# Altium PCB Aixcel_Tiny_Recon_Board.PcbDoc (part 1 of 2)
Units mm, origin at the board's own origin, x right, y up, seen from the top; angles counter-clockwise.
Board outline 50.95 x 29.99 mm, 4 copper layers (Top Layer, GND Layer, PWR Layer, Bottom Layer), stack 1.283 mm thick; 76 components, 72 nets, 351 pads, 241 vias.
Unrouted connection lines stored in the file: 6.
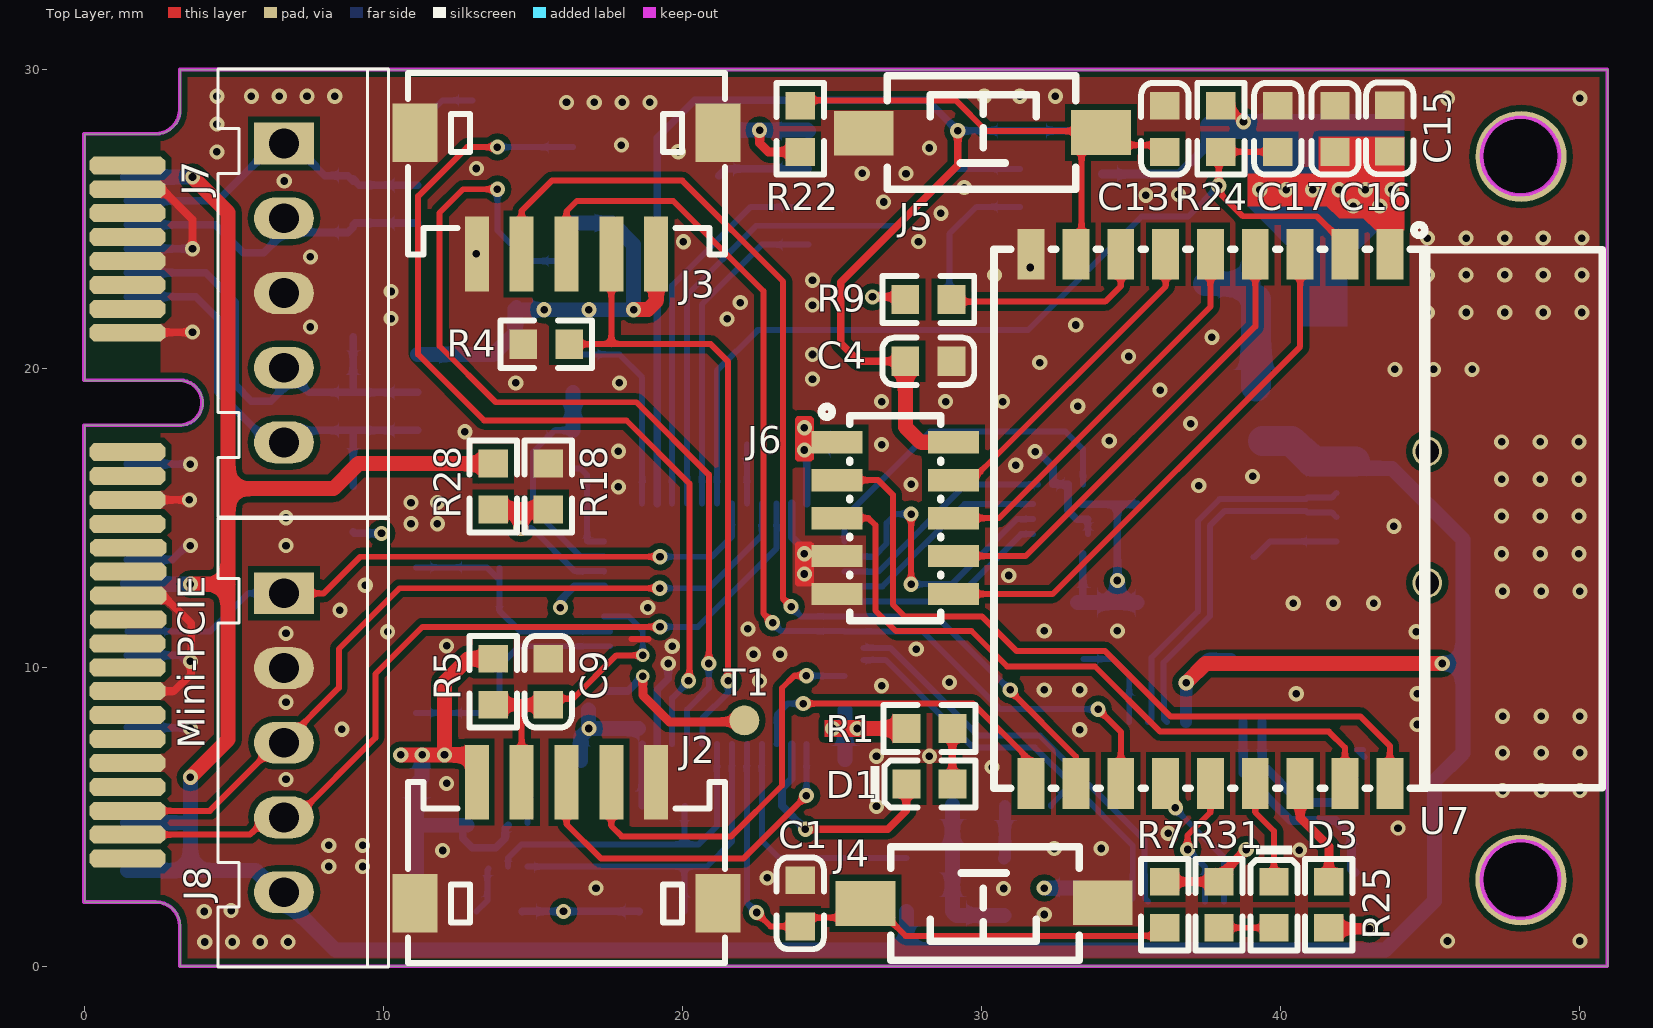
[diagram p0: Top Layer view]
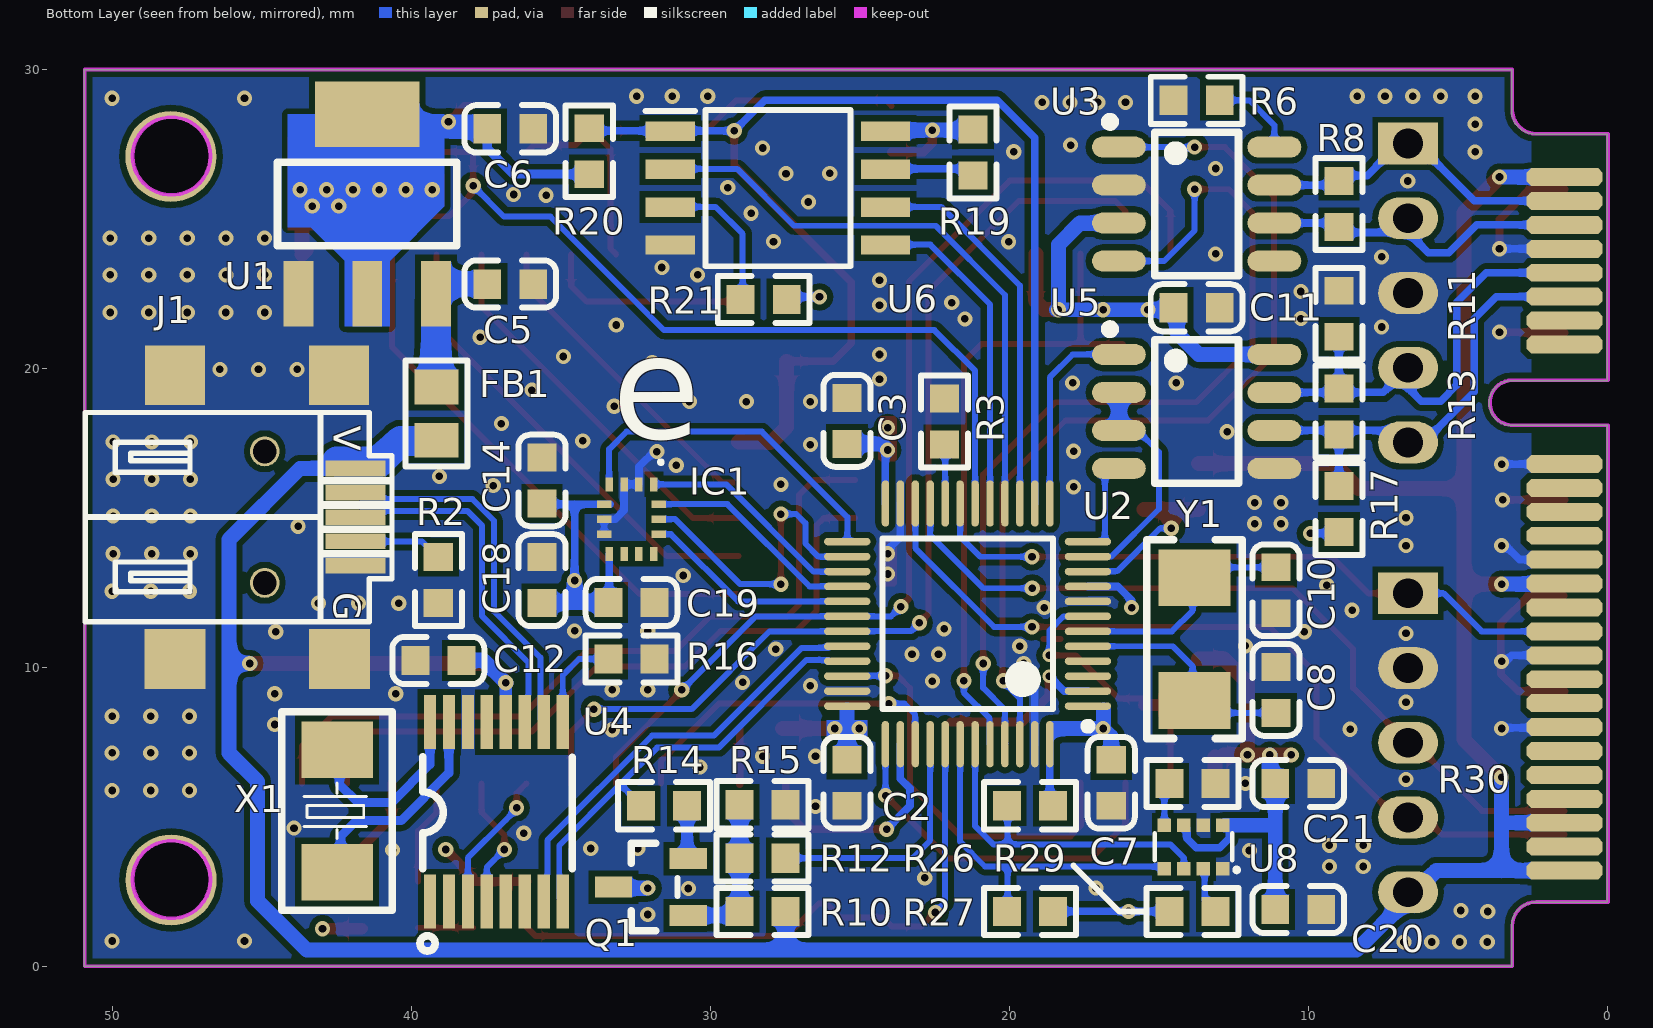
[diagram p1: Bottom Layer view, seen from below]
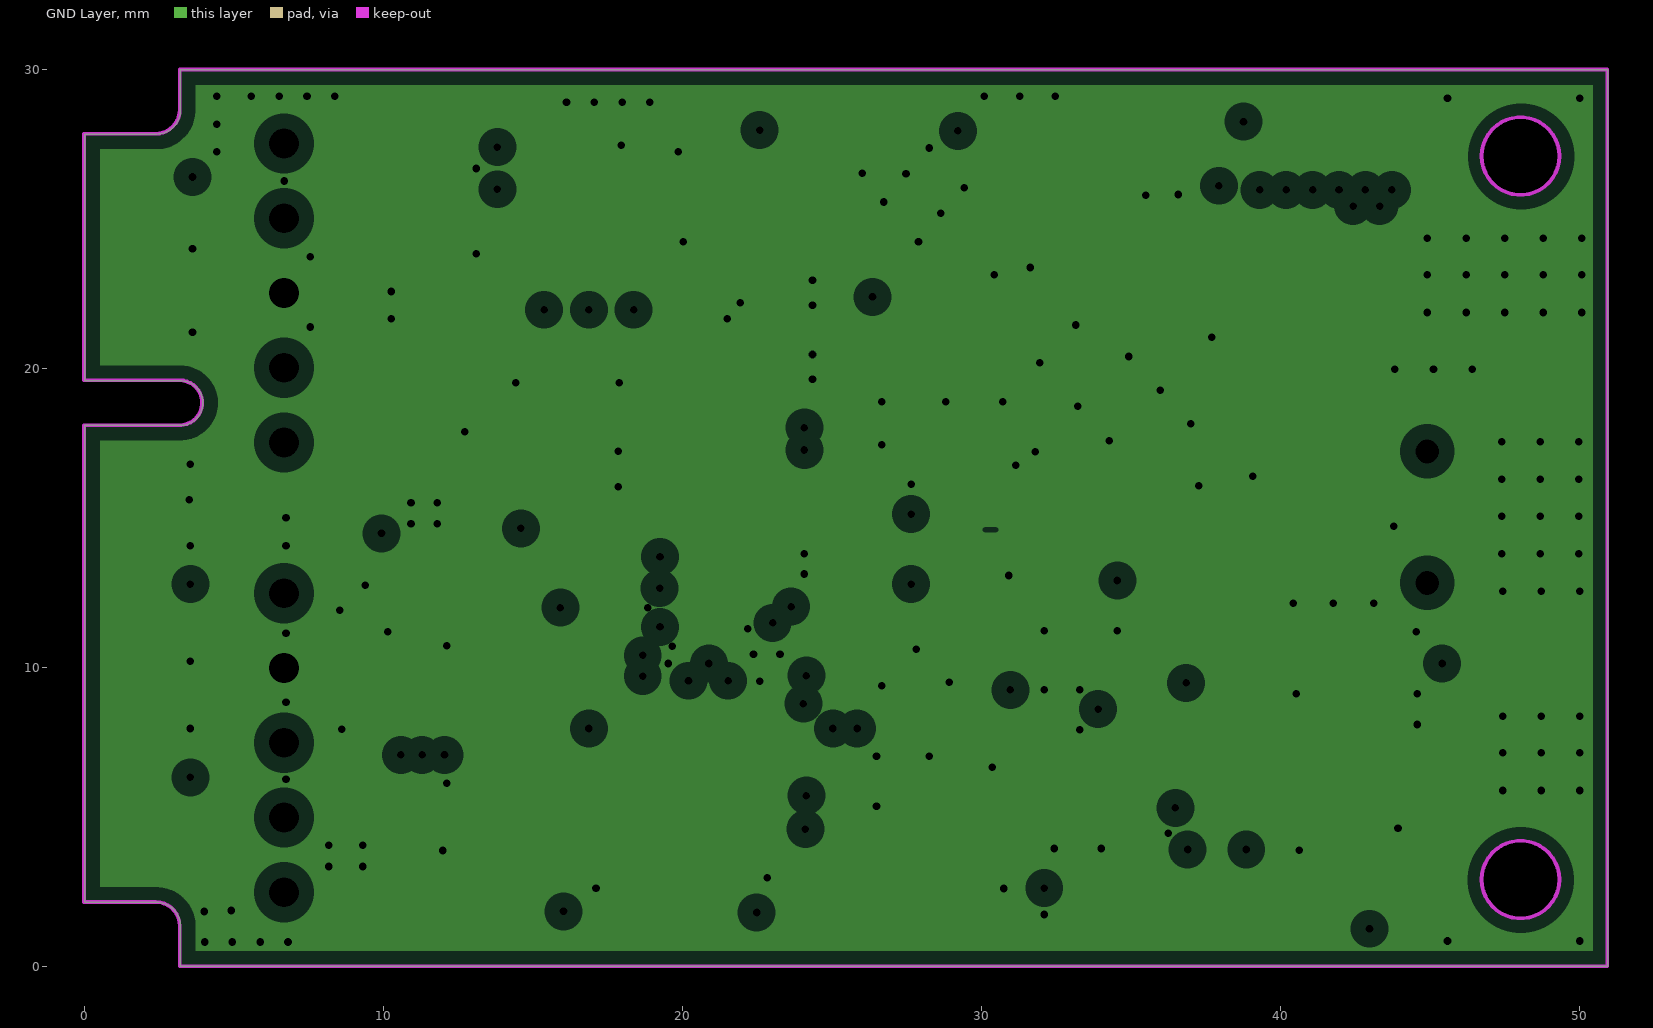
[diagram p2: GND Layer, clearances drawn from the general rule]
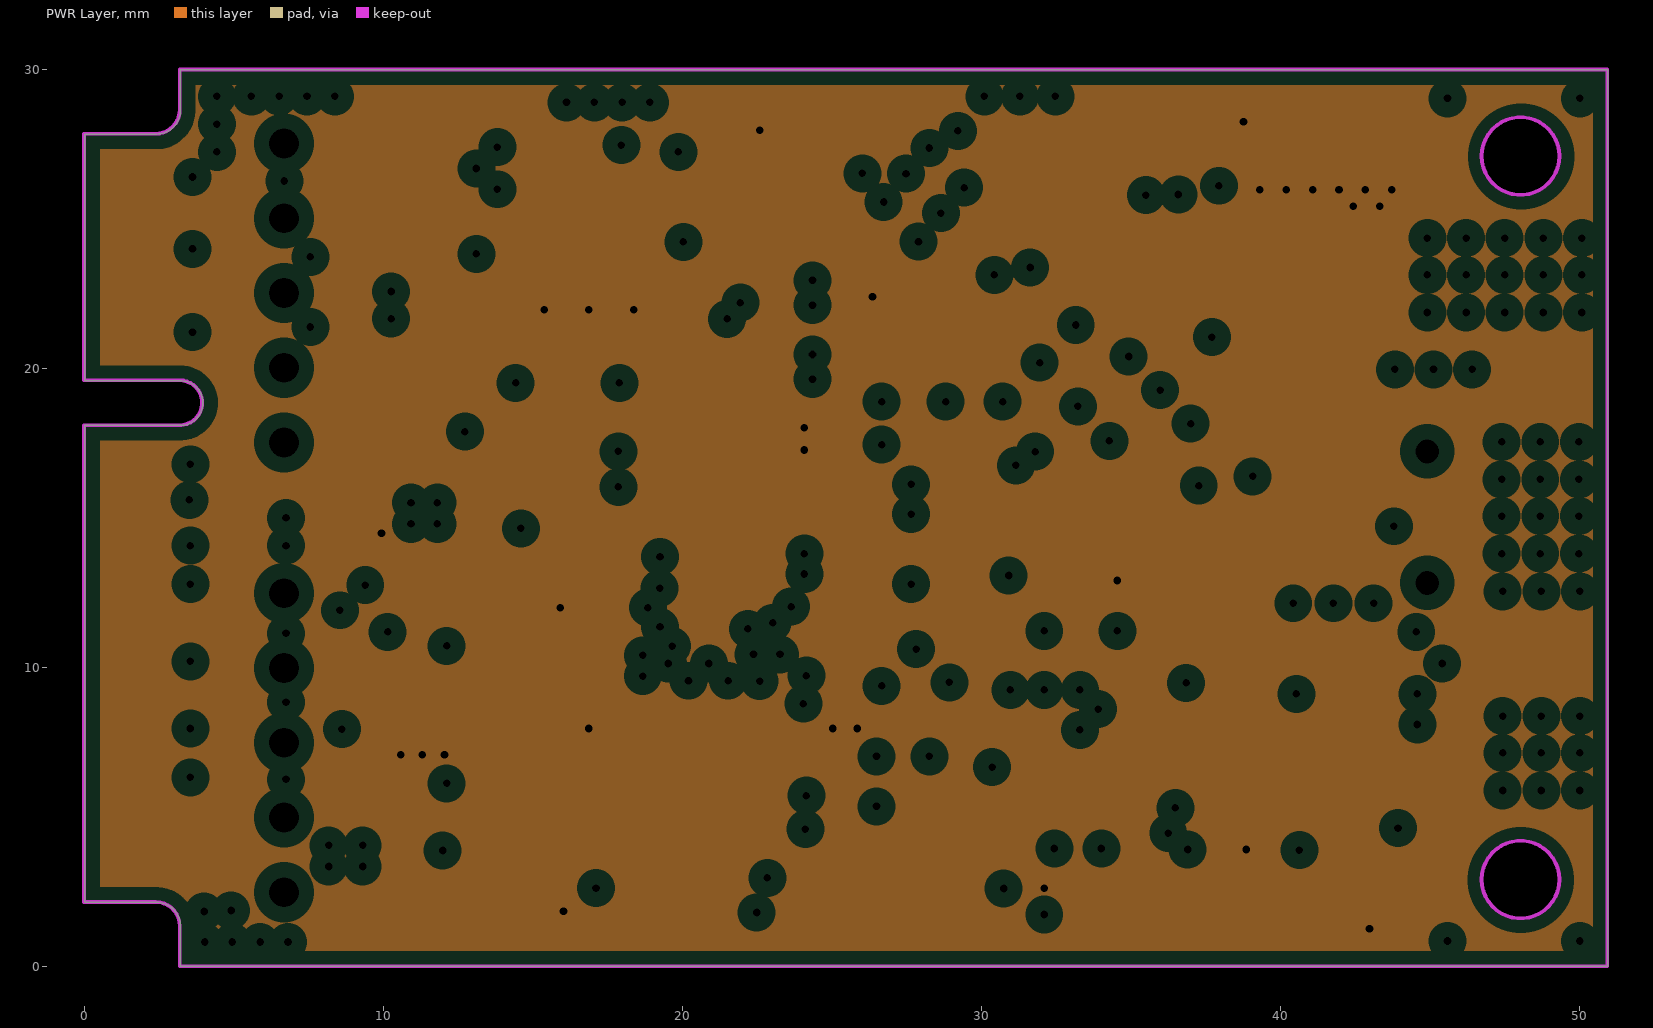
[diagram p3: PWR Layer, clearances drawn from the general rule]
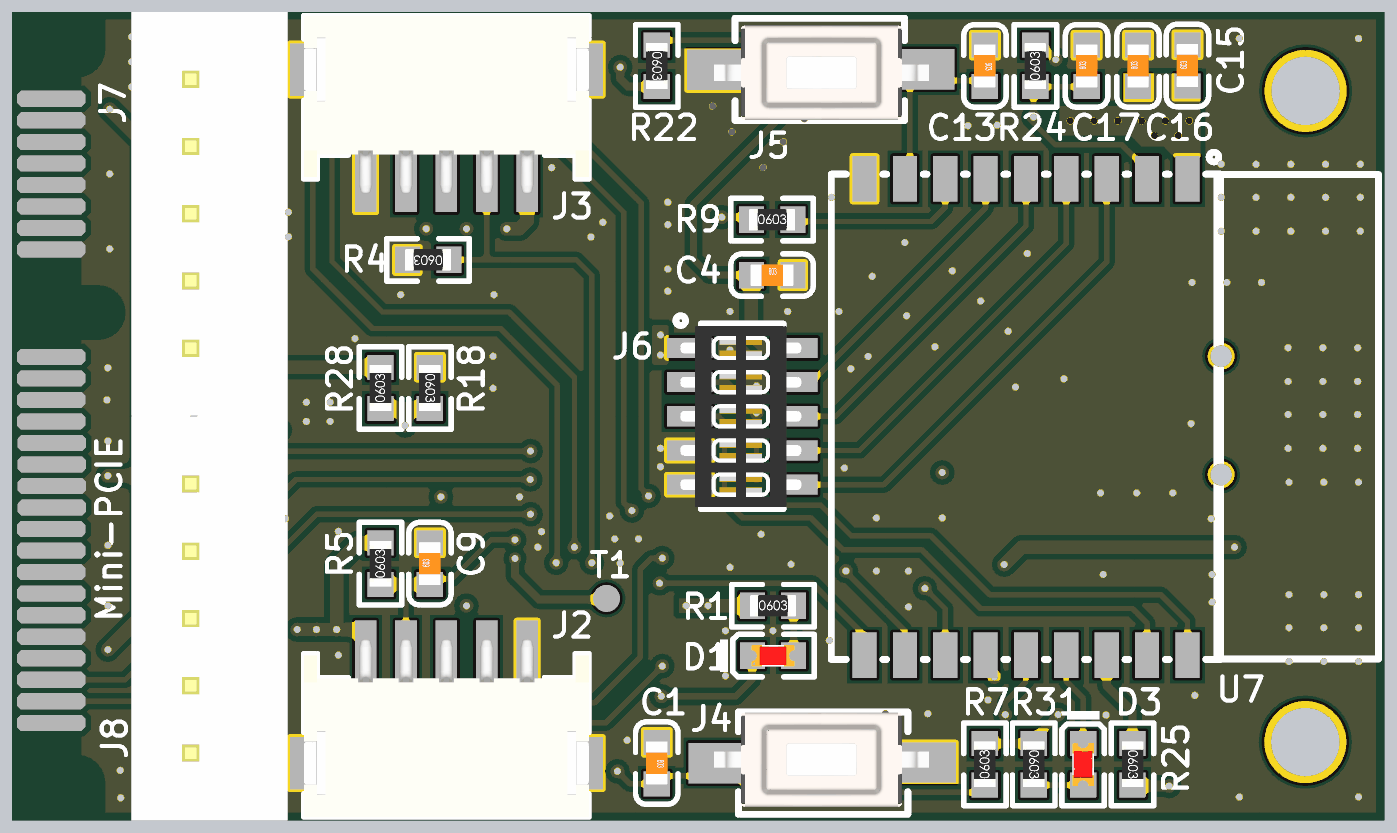
[diagram p5: 3D render of the assembled board from above, using the file's embedded part models]
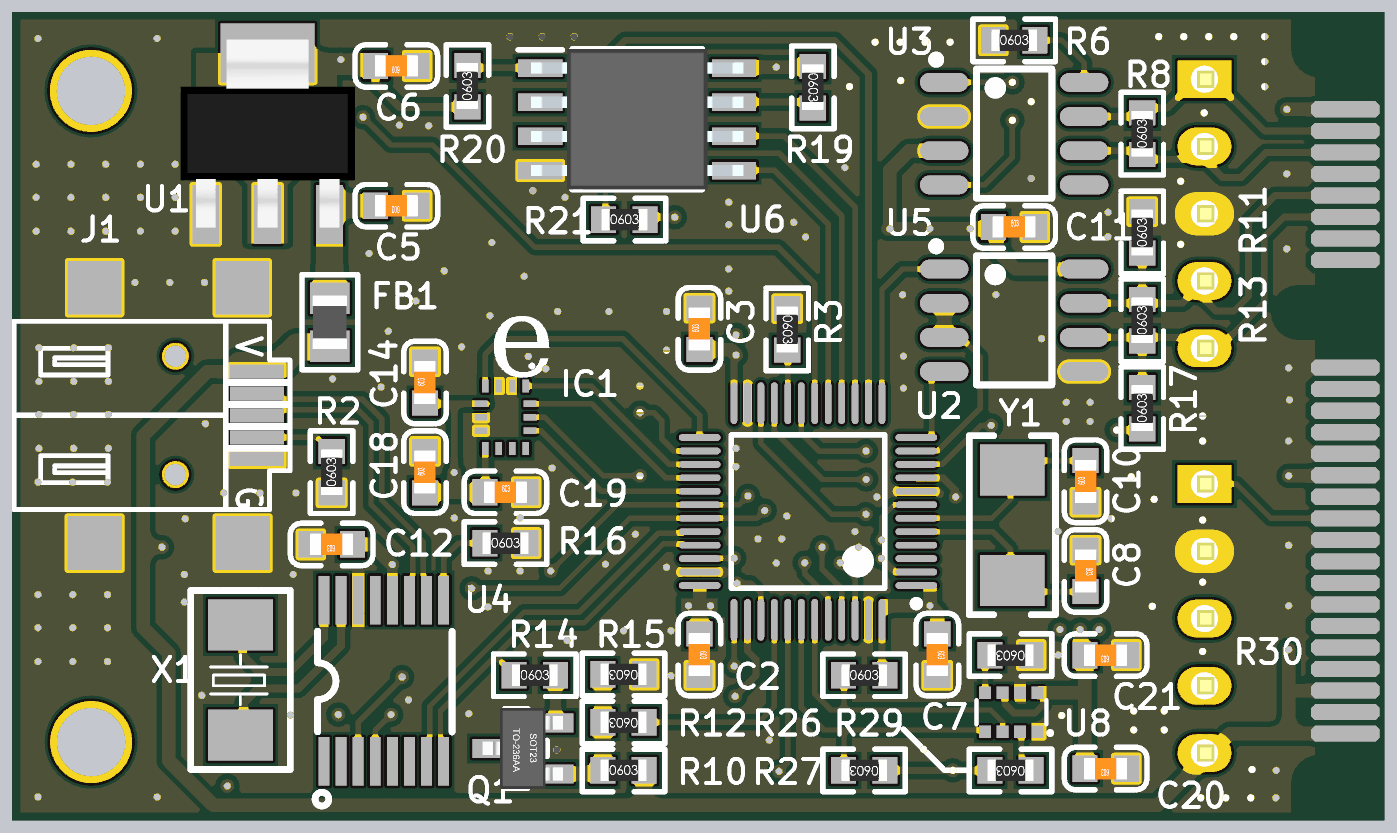
[diagram p6: 3D render of the assembled board from below, using the file's embedded part models]

## Layer stack, top to bottom
Top Solder: solder mask 0.0102, Solder Resist, Dk 3.5
Top Layer: signal copper 0.0356
Dielectric 1: dielectric 1, FR-4, Dk 4.8
GND Layer: plane copper 0.035, net GND
Dielectric 2: prepreg 0.0711, PP-006, Dk 4.1
PWR Layer: plane copper 0.035, net VCC_3V3
Dielectric 3: prepreg 0.0711, PP-006, Dk 4.1
Bottom Layer: signal copper 0.0356
Bottom Solder: solder mask 0.0102, Solder Resist, Dk 3.5

## Board outline
0,2.143 0,18.098 3.201,18.098 ccw(c3.205,18.843) 3.248,19.585 0.005,19.585 0.005,27.843 2.401,27.843 ccw(c2.401,28.643) 3.201,28.643 3.201,29.992 50.953,29.992 50.953,0 3.201,0 3.201,1.343 ccw(c2.401,1.343) 2.401,2.143

## Design rules (kind name [scope] priority, off if disabled: settings)
Clearance [Not (InComponent('Mini-PCIE') or HasPad('Free-0') or HasPad('Free-1'))] p1: gap=0.2 ignorepadtopadclearanceinfootprint=TRUE except(0: Arc-Hole Track-Hole SMDPad-Hole THPad-Hole Via-Hole Fill-Hole Poly-Hole Region-Hole Text-Hole)
DiffPairsRouting [All] p1: maxlimit=0.254 minlimit=0.2 mostfreqgap=0.2 toplayer_minwidth=0.2 toplayer_maxwidth=0.381 toplayer_prefwidth=0.2 bottomlayer_minwidth=0.2 bottomlayer_maxwidth=0.381 bottomlayer_prefwidth=0.2 maxuncoupledlength=12.7
HoleSize [All] p1: absolutevalues=TRUE maxlimit=25.4 minlimit=0.025 maxpercent=80.000 minpercent=20.000
MinimumSolderMaskSliver [All] p1: minsoldermaskwidth=0.128
PlaneClearance [All] p1: clearance=0.508
PlaneConnect [All] p1: planeconnectstyle=Direct reliefexpansion=0.508 reliefentries=4 reliefconductorwidth=0.254 reliefairgap=0.254
PolygonConnect [All] p1: connectstyle=Direct reliefconductorwidth=0.254 reliefentries=4 polygonreliefangle="90 Angle" airgapwidth=0.254
RoutingVias [All] p1: holewidth=0.711 width=1.27 viastyle="Through Hole" minholewidth=0.711 minwidth=1.27 maxholewidth=0.711 maxwidth=1.27
SilkToSilkClearance [All] p1: silktosilkclearance=0.128
SilkToSolderMaskClearance [IsPad] p1: minsilkscreentomaskgap=0.128 clearancetoexposedcopper=TRUE
SolderMaskExpansion [All] p1: expansion=0.102
Width [All] p1: maxlimit=25.4 minlimit=0.128 preferedwidth=0.2 minimp=50.000000 maximp=50.000000 favimp=50.000000
23 further rules are at their usual default settings.

## Classes and differential pairs
component class Mini_PCIE: C4 C13 C14 C15 C16 C17 C18 C19 C20 C21 D3 IC1 J5 J6 J7 J8 Mini-PCIE R9 R22 R24 R25 R26 R27 R29 R30 R31 U7 U8
component class MCU_Power: C1 C2 C3 C5 C6 C7 C8 C9 C10 C11 C12 D1 FB1 J1 J2 J3 J4 Q1 R1 R2 R3 R4 R5 R6 R7 R8 R9 R10 R11 R12 R13 R14 R15 R16 R17 R19 R20 R21 T1 U1 U2 U3 U4 U5 U6 X1 Y1
differential pair USB: +USB_P -USB_N
differential pair ESP32_FS: +ESP32_FS_P -ESP32_FS_N
differential pair MCU_FS: +MCU_FS_P -MCU_FS_N

## Components (designator, comment, footprint, x,y, rotation, side; value= is the part's Value field where it differs from the comment)
C1 "100nF" 0603_C 23.936,2.108 r270 top
C2 "100nF" 0603_C 25.432,6.142 r270 bottom
C3 "100nF" 0603_C 25.432,18.246 r90 bottom
C4 "20pF" 0603_C 28.22,20.241 r0 top
C5 "10uF" 0603_C 36.698,22.822 r0 bottom
C6 "4.7uF" 0603_C 36.698,28.016 r0 bottom
C7 "1uF" 0603_C 16.592,6.142 r270 bottom
C8 "20pF" 0603_C 11.084,9.248 r270 bottom
C9 "100nF" 0603_C 15.504,9.52 r90 top
C10 "20pF" 0603_C 11.084,12.58 r90 bottom
C11 "100nF" 0603_C 13.736,22.032 r180 bottom
C12 "10uF" 0603_C 39.1,10.234 r0 bottom
C13 "100nF" 0603_C 36.13,28.016 r270 top
C14 "100nF" 0603_C 35.632,16.252 r90 bottom
C15 "10uF" 0603_C 43.656,28.032 r90 top
C16 "100nF" 0603_C 41.82,28.016 r90 top
C17 "1uF" 0603_C 39.908,28.016 r90 top
C18 "100nF" 0603_C 35.632,12.92 r90 bottom
C19 "10uF" 0603_C 32.64,12.172 r180 bottom
C20 "100nF" 0603_C 10.336,1.904 r0 bottom
C21 "100nF" 0603_C 10.336,6.12 r0 bottom
D1 "黄灯 0603" 0603_LED_S1 28.254,6.1 r0 top
D3 "绿灯 0603" 0603_LED_S1 39.78,2.062 r270 top
FB1 "100Ω ±25% 100MHz" 0805_L 39.168,18.492 r270 bottom
IC1 "ASM330LHHTR" LGA-14(2.5X3X0.86) 32.64,14.96 r270 bottom
J1 "USB-MINI" USB-MINI贴片 46.036,15.028 r270 bottom locked
J2 "SWD" ZH1.5-WS-5P 16.116,2.108 r0 top locked
J3 "BOOT" ZH1.5-WS-5P 16.116,27.88 r180 top locked
J4 "SIP-2" "TSW SMD-3*6*2.5" 30.056,2.108 r180 top
J5 "SIP-2" "TSW SMD-3*6*2.5" 30.056,27.89 r0 top
J6 "1.27mmFemale header2*5" 1.27mm_2_5排母 27.166,14.996 r270 top
J7 "XH2.54-5P" 2.54XH接插件5P 6.664,22.524 r270 top locked
J8 "XH2.54-5P" 2.54XH接插件5P 6.664,7.48 r270 top locked
Mini-PCIE "PIN-52" PCBComponent_1 3.596,30.02 r270 top locked
Q1 "MMBT5551  G1" SOT-23(SOT-23-3) 31.994,2.652 r180 bottom
R1 "5.1KΩ" 0603_R 28.254,7.956 r0 top
R2 "100KΩ" 0603_R 39.1,12.92 r90 bottom
R3 "10KΩ" 0603_R 22.168,18.224 r270 bottom
R4 "10KΩ" 0603_R 15.436,20.808 r180 top
R5 "10KΩ" 0603_R 13.668,9.52 r90 top
R6 "4.7KΩ" 0603_R 13.736,28.968 r180 bottom
R7 "4.7KΩ" 0603_R 36.13,2.062 r90 top
R8 "120Ω" 0603_R 8.976,25.5 r90 bottom
R9 "10KΩ" 0603_R 28.22,22.304 r0 top
R10 "10KΩ" 0603_R 28.254,1.836 r180 bottom
R11 "10KΩ" 0603_R 8.976,21.828 r90 bottom
R12 "100Ω" 0603_R 28.254,3.621 r0 bottom
R13 "120Ω" 0603_R 8.976,18.564 r90 bottom
R14 "1.5KΩ" 0603_R 31.552,5.372 r180 bottom
R15 "36KΩ" 0603_R 28.254,5.406 r0 bottom
R16 "2.7KΩ" 0603_R 32.64,10.282 r180 bottom
R17 "10KΩ" 0603_R 8.976,15.3 r90 bottom
R18 "1MΩ" 0603_R 15.504,16.048 r270 top
R19 "10KΩ" 0603_R 21.216,27.222 r270 bottom
R20 "10KΩ" 0603_R 34.053,27.268 r90 bottom
R21 "10KΩ" 0603_R 28.22,22.304 r180 bottom
R22 "4.7KΩ" 0603_R 23.936,28.016 r270 top
R24 "10KΩ" 0603_R 38.004,28.016 r90 top
R25 "10KΩ" 0603_R 41.616,2.062 r270 top
R26 "4.7KΩ" 0603_R 19.312,5.372 r180 bottom
R27 "4.7KΩ" 0603_R 19.312,1.836 r0 bottom
R28 "2MΩ" 0603_R 13.668,16.048 r90 top
R29 "10KΩ" 0603_R 13.872,1.836 r0 bottom
R30 "100KΩ" 0603_R 13.872,6.12 r0 bottom
R31 "5.1KΩ" 0603_R 37.944,2.062 r270 top
T1 "CHECK" CHECK-C 22.066,8.228 r0 top
U1 "AMS1117-3.3" SOT-223 41.48,25.5 r270 bottom
U2 "STM32F303CBT6" STM-LQFP48_L 21.398,11.458 r0 bottom locked
U3 "CAN/SN65HVD230DR" SOIC-8_150mil 13.736,25.5 r270 bottom
U4 "FE8.1" SSOP-16_L4.9-W3.9-P0.64-LS6.0-BL 37.162,5.168 r180 bottom
U5 "SP485EEN-L/TR" SOIC-8_150mil 13.736,18.564 r270 bottom
U6 "GD25Q127CSIG" GD25Q127CSIG 27.746,26.034 r180 bottom
U7 "ESP32-C3-WROOM-02" WIFIM-SMD_19P-L18.0-W20.0-P1.50 37.656,14.97 r270 top locked
U8 "SPL06-001" SPL06-001 13.804,4.012 r180 bottom
X1 "12MHz" 12MHz 42.568,5.168 r270 bottom